# KiCad board pcb.kicad_pcb (continued)
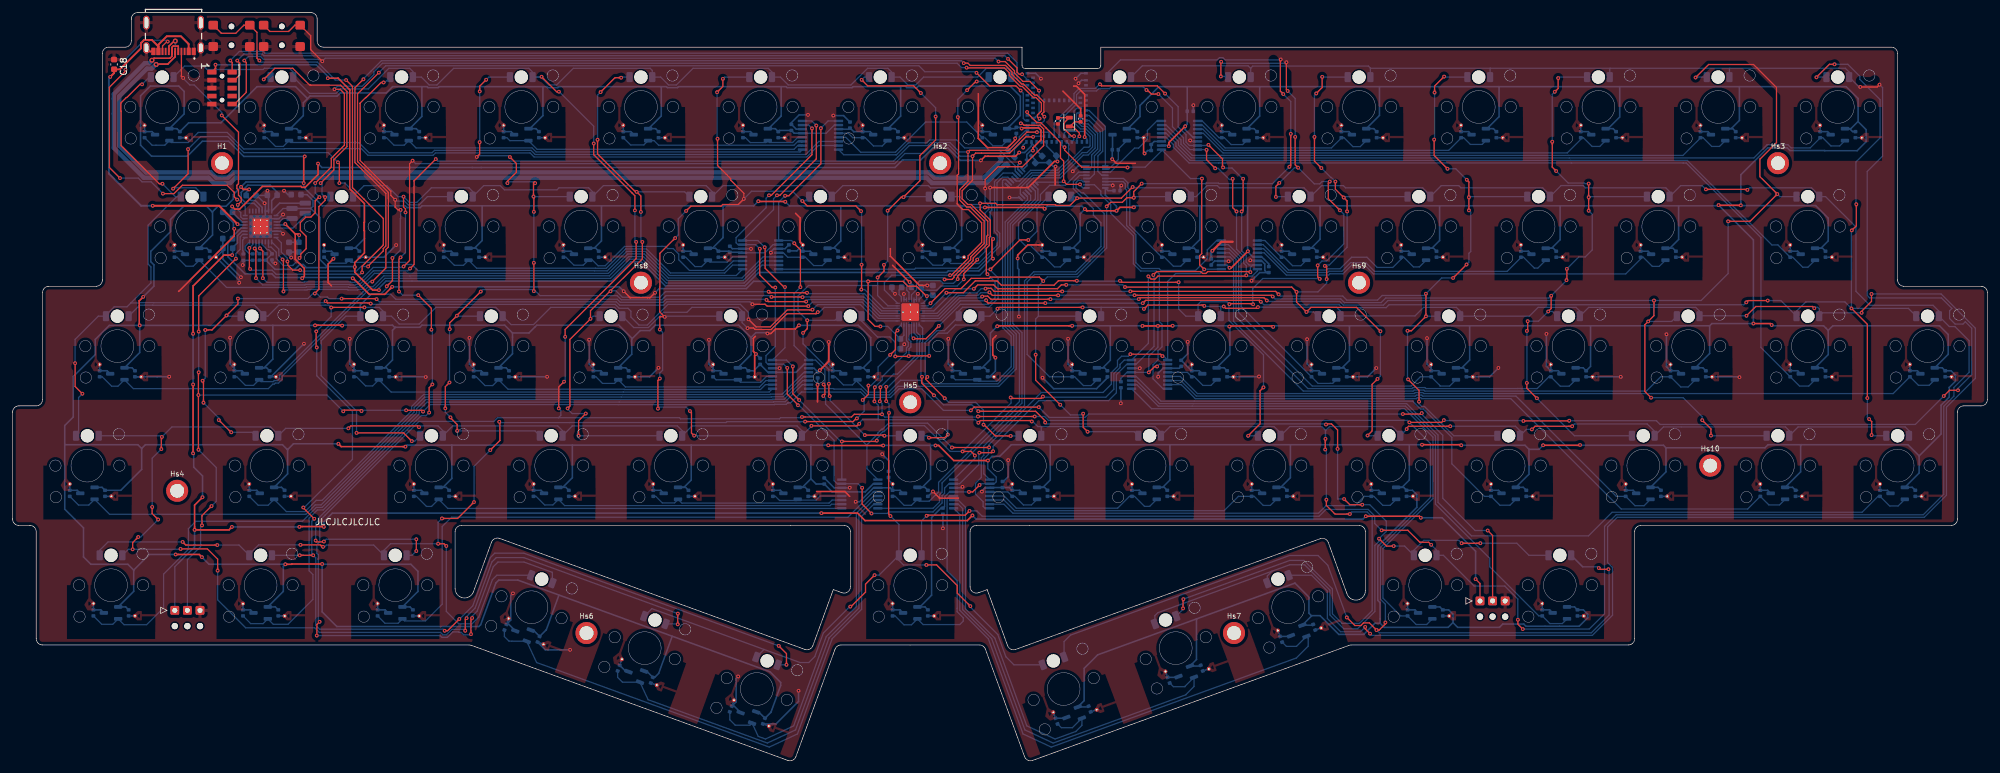
[diagram p0: board, top side]
## Routing (per net, layer and track width the routed paths; a pad name or vN(x,y) marks a point on that pad's centre or on a via; arc(x,y) is an arc through that point) (continued)
/VBUSOUT: length 141.8
  Top w0.25: v1(48.49,94.85) 48.49,93.12 46.44,91.07 45.94,91.07 45.79,91.22 39.65,91.22 36.05,87.61 35.28,87.61 v1(34.85,88.05) ; v1(159.8,96.61) 159.21,96.01 154.38,96.01 v1(153.72,95.36)
  Bottom w0.25: v1(34.85,88.05) 34.91,87.99 C19.1 34.91,87.09 36.41,85.6 PMIC1.22 ; v1(48.49,94.85) 49.11,94.22 72.96,94.22 72.96,94.22 74.4,94.22 74.4,94.22 140.08,94.22 141.28,95.43 144.16,95.43 146.11,97.38 148.44,97.38 150.46,95.36 v1(153.72,95.36) ; C1.1 162.65,96.84 162.65,97.21 161.75,98.1 MDBT1.32 161.75,97.68 160.67,96.61 v1(159.8,96.61)
/VDD_nRF: length 232.3
  Top w0.25: v1(50.04,108.43) 51.68,108.43 53.53,106.58 53.53,90.82 55.85,88.51 55.85,85.53 55.8,85.48 55.8,84.21 55.85,84.16 55.85,80.65 54.32,79.12 v1(54.32,78.42) 54.32,77.59 57.16,74.75 v1(58.16,74.75) ; JTAG1.1 32.21,109.96 v1(32.21,110.57) ; v1(165.87,95.18) 165.38,95.18 161.24,91.04 v1(155.18,91.04) ; v1(155.66,82.87) 155.48,82.7 155.48,79.89 v1(155.63,79.74)
  Bottom w0.2: PMIC1.1 42.94,87.72 L1.1 ; R3.1 R4.1 40.2,79.52 C13.2 41.18,80.63 40.63,81.18 40.43,81.18 39.62,81.98 PMIC1.12
  Bottom w0.25: 49.91,78.49 54.24,78.49 v1(54.32,78.42) ; 49.91,78.49 49.73,78.32 46.62,78.32 46.13,78.81 45.57,78.81 44.81,78.04 41.66,78.04 R4.1 ; 49.91,78.49 48.78,79.62 48.78,86.29 47.35,87.72 ; v1(32.21,110.57) 32.23,110.55 48.21,110.55 50.04,108.71 v1(50.04,108.43) ; 47.35,87.72 L1.1 ; 47.35,87.72 47.69,88.05 47.69,88.98 46.75,89.92 C25.1 ; v1(155.63,79.74) 155.33,79.74 153.38,77.79 148.54,77.79 148.3,77.55 118.41,77.55 116.3,75.44 103.6,75.44 99.8,79.23 98.14,79.23 95.08,76.18 63.41,76.18 63.4,76.18 59.27,76.18 58.16,75.06 v1(58.16,74.75) ; v1(165.87,95.18) 165.7,95.36 C3.1 164.15,97.64 MDBT1.28 MDBT1.30 ; v1(155.66,82.87) 155.18,83.34 155.18,87.19 155.43,87.44 155.43,88.33 155.18,88.57 v1(155.18,91.04)
GND: length 600.5
  Top w0.25: 21.23,113.16 Jusb1.S1 21.8,112.67 Jusb1.A12 ; v1(127.79,59.69) 127.79,56.95 ; v1(35.18,84.48) 35.18,83.36 26.36,74.53 ; v1(128.15,62.02) 129.56,63.43 v1(129.56,66.51) ; v1(159.55,79.78) 159.55,80.31 161.17,81.93 Cvout23.2 162.88,81.93 ; v1(146.11,42.73) 147.17,41.68 150.16,41.68 ; 165.51,91.48 165.51,94.36 165.54,94.39 v1(165.57,94.39) ; v1(179.7,96.45) 179.55,96.6 Cvcc9.2 ; 132.88,41.97 132.11,42.74 127.64,42.74 ; v1(159.16,98.86) 159.16,98.6 157.95,97.39 154.77,97.39 153.3,98.86 153.3,105.95 ; 117.93,67.42 117.6,67.09 117.6,64.99 v1(118,64.59) 118,64.58 117.8,64.38 Cvcc35.2 ; v1(156.02,64.01) 155.6,64.43 155.6,66.94 156.15,67.5 ; C2.2 169.55,103.55 166.75,106.35 ; 178.23,94.9 175.22,94.9 v1(174.56,95.56) ; v1(142.42,76.02) 142.36,76.02 139.69,78.69 ; 139.34,81.34 139.34,80.13 143.98,75.49 v1(145.19,75.49) ; 168.45,107.16 168.89,107.16 170.19,105.85 v1(170.19,99.07) ; 50.64,75.39 50.09,75.94 50.09,78.88 v1(50.93,79.72) ; 124.31,86.94 125.02,86.22 125.02,82.35 Cvout21.2
  Top w0.35: 193.7,82.43 191.9,82.43 v1(190.46,80.99)
  Bottom w0.2: LEDDR1.33 143.1,71.85 LEDDR1.30 LEDDR1.31 143.5,73.94 v1(143.72,74.16) ; LEDDR1.27 LEDDR1.26 v1(141.5,74.13)
  Bottom w0.25: TMR48.3 83.88,42.93 Cvout48.2 ; v1(34.53,67.18) 34.53,63 35.2,62.33 Cvout31.2 36.38,61.93 TMR31.3 ; v1(41.72,78.98) 41.37,78.98 41.18,79.17 C13.1 ; TMR68.3 202.82,19.7 Cvout68.2 ; Cvcc62.2 84.57,17.57 v1(88.5,17.57) ; Cvout21.2 124.5,80.98 C15.2 ; Cvout52.2 159.88,42.93 TMR52.3 ; Cvout52.2 158.26,43.37 C31.2 155.16,43.37 MUXB8.3 154.38,43.32 153.88,42.82 v1(153.88,42.72) ; Cvout52.2 158.69,42.93 ; Cvout51.2 139.07,44.56 C17.2 ; Cvout10.2 193.13,99.93 TMR10.3 ; Cvcc32.2 65.55,60.97 v1(65.59,60.93) ; Cvout24.2 183.63,80.93 TMR24.3 ; MDBT1.33 160.43,97.78 v1(160.43,97.39) ; Cvout21.2 126.63,80.93 TMR21.3 ; C7.1 114.25,81.32 MUXB2.14 117.19,81.32 v1(117.22,81.3) ; MUXA2.8 169.17,94.49 v1(168.3,93.62) ; TMR49.3 102.88,42.93 Cvout49.2 ; Cvout28.2 259.63,80.93 TMR28.3 ; TMR45.3 10.26,42.93 Cvout45.2 ; TMR26.3 221.63,80.93 Cvout26.2 ; Cvout59.2 14.01,23.93 TMR59.3 ; v1(147.69,36.89) C24.1 ; Cvout53.2 178.88,42.93 TMR53.3 ; Cvout11.2 212.13,99.93 TMR11.3 ; Cvcc24.2 188.36,79.97 ; v1(196.68,76.23) 197.98,77.53 C22.1 199.11,77.53 198.78,77.85 198.78,78.89 198.31,79.37 MUXB6.14 ; v1(40.46,90.54) 40.44,90.52 C26.2 ; TMR39.3 188.38,61.93 Cvout39.2 187.17,61.93 C30.1 186.55,64.63 v1(186.55,66.52) ; v1(146.11,42.73) 145.34,41.97 Cvcc51.2 ; v1(110.55,66.84) 110.55,62.98 111.2,62.33 Cvout35.2 112.38,61.93 TMR35.3 ; C26.2 40.39,89.79 C27.2 38.76,89.79 v1(40.01,88.54) 40.12,88.42 PMIC1.30 ; C26.2 40.62,89.65 PMIC1.31 PMIC1.30 ; Cvcc9.2 178.86,98.97 ; Cvout5.2 98.13,99.93 TMR5.3 ; TMR43.3 264.38,61.93 Cvout43.2 262.55,62.58 v1(262.55,67.72) ; C16.2 127.81,59.71 v1(127.79,59.69) ; v1(159.16,98.86) 159.34,99.04 Cvcc8.2 ; 175.81,90.56 C20.1 175.81,91.17 v1(176,91.36) ; Cvout4.2 79.13,99.93 TMR4.3 ; TMR13.3 250.13,99.93 Cvout13.2 ; 157.29,44.33 158.04,45.08 v1(158.04,47.73) ; 157.29,44.33 157.29,44.29 ; 157.29,44.33 C31.1 ; TMR44.3 283.38,61.93 Cvout44.2 ; Cvout63.2 97.4,14.1 TMR63.3 97.78,14.23 ; TMR33.3 74.38,61.93 Cvout33.2 73.2,62.33 72.52,63.01 v1(72.52,67.15) ; v1(159.55,79.78) 159.55,78.21 159.75,78.02 v1(159.75,70.53) ; PMIC1.33 40.12,85.6 PMIC1.30 ; PMIC1.33 40.62,86.1 PMIC1.2 42.28,86.1 42.93,86.75 v1(42.93,86.75) ; PMIC1.33 40.12,84.1 PMIC1.6 42.54,84.1 v1(42.93,83.71) ; v1(178.94,62.33) 178.94,62.32 MUXB7.14 ; TMR32.3 55.38,61.93 Cvout32.2 54.2,62.33 53.51,63.02 v1(53.51,67.02) ; Cvout18.2 69.63,80.93 TMR18.3 ; TMR42.3 245.38,61.93 Cvout42.2 243.49,62.64 v1(243.49,67.78) ; v1(138.05,48.68) 139.14,47.59 139.14,46.01 C17.1 ; 198.2,79.48 v1(196.48,79.48) ; TMR61.3 59.13,23.93 Cvout61.2 ; Cvout50.2 121.88,42.93 TMR50.3 ; v1(187.44,104.13) 187.43,104.12 C21.1 ; v1(115.18,13.35) 114.86,13.02 114.86,9.3 Cvout64.2 114.56,8.62 TMR64.3 115.58,7.73 ; v1(174.56,95.56) 174.57,95.57 Cvout9.2 174.61,97.09 TMR9.3 ; v1(121.76,62.34) 121.75,62.32 MUXB3.14 ; TMR1.3 22.13,99.93 Cvout1.2 ; MUXA1.15 159.59,93.94 159.59,94.65 159.9,94.95 v1(159.9,95) ; 13.81,61.93 Cvout30.2 15.01,61.93 TMR30.3 ; Cvcc64.2 121.2,5.8 124.77,9.37 v1(124.77,11.08) ; C35.2 145.2,75.48 v1(145.19,75.49) ; v1(167.56,67.01) 167.56,62.97 168.2,62.33 Cvout38.2 169.38,61.93 TMR38.3 ; TMR2.3 41.13,99.93 Cvout2.2 ; TMR55.3 216.88,42.93 Cvout55.2 ; Cvcc50.2 126.61,41.97 ; TMR6.3 117.13,99.93 Cvout6.2 ; v1(120.38,80.69) 120.38,80.82 120.88,81.32 MUXB2.3 122.62,81.32 C15.1 ; v1(163.25,108.35) 162.4,109.2 MDBT1.55 ; v1(133.84,41.11) 134.45,41.11 136.67,43.32 MUXB4.3 139.31,43.32 Cvout51.2 140.88,42.93 TMR51.3 ; Cvout14.2 269.13,99.93 TMR14.3 ; Cvcc40.2 215.1,60.97 v1(216.49,62.36) 216.48,62.37 ; C30.2 185.21,62.32 MUXB7.3 182.63,62.32 181.86,61.56 v1(181.86,60.97) ; v1(35.18,84.48) 35.05,84.62 35.05,85.46 33.37,87.14 C19.2 ; Cvout8.2 155.13,99.93 TMR8.3 ; v1(91.52,66.86) 91.52,63.01 92.2,62.33 Cvout34.2 93.38,61.93 TMR34.3 ; R6.1 38.09,79.47 R5.1 36.64,78.84 v1(36.53,78.73) ; v1(60.88,81.91) 58.94,79.97 Cvcc17.2 ; Cvout56.2 235.88,42.93 TMR56.3 ; v1(186.93,98.54) 187.09,98.37 MUXB5.14 ; 33.38,81.54 33.38,83.06 ; TMR22.3 145.63,80.93 Cvout22.2 ; v1(84.85,60.96) 84.84,60.97 Cvcc33.2 ; v1(169.22,107.62) 169.7,108.1 MDBT1.2 ; Cvcc38.2 173.8,60.81 172.07,59.08 165.26,59.08 v1(163.51,60.83) ; TMR16.3 26.88,80.93 Cvout16.2 ; v1(141.55,66.14) 140.92,65.51 C36.2 ; TMR27.3 240.63,80.93 Cvout27.2 ; v1(255.3,60.96) 255.29,60.97 Cvcc42.2 ; Cvout57.2 257.26,42.93 TMR57.3 ; C25.2 43.71,89.92 v1(43.09,90.54) ; v1(197.87,61.01) 197.83,60.97 Cvcc39.2 ; v1(46.25,66.22) 41,60.97 Cvcc31.2 ; Cvout47.2 64.88,42.93 TMR47.3 ; TMR65.3 140.88,23.93 Cvout65.2 ; v1(174.65,91.39) 174.55,91.49 MUXA2.15 ; Cvout23.2 164.63,80.93 TMR23.3 ; Cvout25.2 202.63,80.93 TMR25.3 ; TMR40.3 207.38,61.93 Cvout40.2 206.2,62.33 205.5,63.03 v1(205.5,66.95) ; C29.2 190.28,78.83 190.82,79.37 MUXB6.3 192.99,79.37 v1(193.04,79.32) ; C5.1 162.35,95.42 C1.2 162.4,95 C3.2 165.21,94.39 v1(165.57,94.39) ; v1(128.15,62.02) 127.88,61.75 C16.1 127.23,62.32 MUXB3.3 ; Cvout19.2 88.63,80.93 TMR19.3 ; TMR67.3 184.97,13.2 Cvout67.2 ; v1(158.27,89.46) 158.31,89.42 159.87,89.42 MUXA1.8 ; TMR29.3 283.38,80.93 Cvout29.2 ; Cvcc1.2 Cvcc1.2 ; Cvout58.2 278.63,42.93 TMR58.3 ; 157.25,43.32 157.29,43.37 ; TMR15.3 288.13,99.93 Cvout15.2 ; 182.32,98.44 MUXB5.3 181.24,98.37 C28.1 C28.2 180.18,96.93 v1(179.7,96.45) ; TMR36.3 131.38,61.93 Cvout36.2 130.2,62.33 129.56,62.97 v1(129.56,66.51) ; v1(132.9,43.34) 132.88,43.32 MUXB4.14 130.43,43.32 128.86,44.89 C9.1 ; TMR46.3 38.76,42.93 Cvout46.2 ; MDBT1.1 169.6,109.2 v1(168.75,108.35) ; Cvcc37.2 155.11,60.97 156.02,61.88 v1(156.02,64.01) ; C34.1 139.59,74.63 v1(140.08,74.14) ; v1(175.93,56.76) 175.94,56.77 C23.1 ; TMR72.3 302.38,61.93 Cvout72.2 ; TMR7.3 136.13,99.93 Cvout7.2 133.56,99.93 133.54,99.91 132.95,100.5 C14.2 132.75,100.32 MUXB1.3 ; Cvout60.2 37.76,23.93 TMR60.3 ; v1(224.54,67.12) 224.54,62.99 225.2,62.33 Cvout41.2 226.38,61.93 TMR41.3 ; TMR54.3 197.88,42.93 Cvout54.2 ; C14.1 131.91,102.48 v1(130.29,102.48) ; Cvout17.2 50.63,80.93 TMR17.3 51.11,79.9 v1(50.93,79.72) ; Cvout3.2 60.13,99.93 TMR3.3 ; v1(170.19,99.07) 170.55,98.71 MDBT1.15 ; Cvout70.2 244.01,23.93 TMR70.3 ; v1(36.25,76.8) 33.39,79.66 C32.2 33.39,81.06 Cvcc16.2 35.97,76.3 v1(35.97,75.91) ; Cvout69.2 222.63,23.93 TMR69.3 ; v1(24.85,60.98) 22.95,60.98 22.94,60.97 Cvcc30.2 ; v1(235.87,62.37) 234.47,60.97 Cvcc41.2 ; Cvcc36.2 135.97,60.97 ; Cvcc19.2 93.06,79.97 ; v1(79.43,26.55) 79.08,26.2 79.08,22.3 Cvout62.2 78.78,21.62 TMR62.3 79.8,20.73 ; v1(142.42,76.02) 142.69,75.74 C33.2 ; LEDDR1.33 143.13,71.87 ; v1(44.22,79.91) 43.88,80.25 C10.2 45.42,80.79 C11.2 ; Cvout66.2 167.17,6.7 TMR66.3 ; v1(126.27,102.59) 124.86,102.59 123.63,101.36 C6.1 123.64,101.08 124.4,100.32 MUXB1.14 ; TMR37.3 150.38,61.93 Cvout37.2 149.2,62.33 148.52,63.01 148.52,66.98 v1(148.55,67.01) ; MUXB8.14 150.65,43.32 v1(150.8,43.48) ; TMR20.3 107.63,80.93 Cvout20.2 106.45,81.33 ; Cvout71.2 297.63,42.93 TMR71.3 ; TMR12.3 231.13,99.93 Cvout12.2 ; Cvcc43.2 274.08,60.97 v1(274.14,60.91) ; v1(118,64.59) 118.67,63.92 C8.1 ; v1(102.54,62.39) 101.12,60.97 Cvcc34.2 ; Cvcc35.2 117.11,60.97
  Bottom w0.35: v1(190.46,80.99) 190.28,80.81 C29.1
VCCS: length 2346.1
  Top w0.2: v1(181.69,62.61) 181.31,62.61 v1(180.37,61.67) ; v1(151.82,42.67) 152.43,42.67 153.51,43.76 v1(153.51,43.78)
  Top w0.25: v1(200.12,68.9) 199.98,69.04 193.25,69.04 v1(193.16,68.95) ; v1(178,87.9) 175.8,87.9 v1(175.25,87.35) 170.5,87.35 v1(170.23,87.62) ; v1(119.83,67.86) 120.41,67.86 121.12,68.57 124.25,68.57 v1(124.83,69.15) ; v1(62.36,49.87) 52.17,49.87 v1(51.72,50.32) ; v1(48.01,69.14) 48.04,69.17 52.24,69.17 v1(52.31,69.1) ; v1(276.35,69.43) 279.03,69.43 v1(279.26,69.2) ; v1(146.51,50.06) 147.02,50.06 149.42,47.66 v1(154.83,47.66) ; v1(129.48,50.08) 129.51,50.05 v1(138.21,50.05) ; v1(154.35,87.88) 163.62,87.88 v1(163.85,87.66) ; v1(118.38,88.87) 118.42,88.83 122.63,88.83 v1(122.67,88.79) ; v1(161.97,96.93) 161.97,97.35 163.25,98.62 163.25,100.17 162.9,100.52 160.3,100.52 v1(160.19,100.41) ; v1(156.3,69) 156.38,69.07 v1(168.2,69.07) ; v1(223.74,50.17) 229.89,50.17 v1(229.97,50.09) ; v1(20.73,73.67) 20.1,73.03 20.1,69.22 v1(20.18,69.14) ; v1(196.1,80.92) 196.1,80.91 193.48,78.3 v1(193.18,78.3) ; v1(49.14,31.22) 44.33,31.22 44.28,31.17 v1(43.29,31.17) ; v1(179.36,69.05) v1(181.82,69.05) 184.13,69.05 v1(184.16,69.08) ; v1(36.26,91.14) 36.65,90.75 v1(37.55,90.75) ; v1(46.37,95.99) 46.22,95.83 v1(46.22,91.75) ; v1(186.15,100.79) 183.55,98.19 v1(183.55,97.61) ; v1(242.97,50.09) 248.79,50.09 v1(248.83,50.13) ; v1(274.36,88.22) 270.86,88.22 v1(270.82,88.26) ; v1(25.88,32.73) 29.62,32.73 v1(30.06,32.3)
  Bottom w0.2: v1(153.51,43.78) 153.71,43.97 MUXB8.2 155.85,43.97 156.15,44.27 156.15,45.03 154.82,46.37 154.82,47.65 v1(154.83,47.66) ; MUXB2.2 120.74,81.97 119.44,80.67 MUXB2.13 ; MUXB7.2 182.06,62.97 v1(181.69,62.61) ; v1(181.82,69.05) 181.82,65.68 180.37,64.23 v1(180.37,61.67) MUXB7.13 176.9,61.67 175.94,60.71 C23.2 ; MUXB1.2 130.46,100.97 129.16,99.67 MUXB1.13 ; v1(151.82,42.67) MUXB8.13 148.73,42.67 147.95,41.89 147.95,40.35 C24.2
  Bottom w0.25: 140.98,107.05 141.1,107.17 141.7,107.17 141.95,106.92 143.55,106.92 143.8,107.17 158.36,107.17 159.98,105.55 159.98,102.48 TMR8.1 159.13,100.4 Cvcc8.1 159.99,100.61 v1(160.19,100.41) ; 140.98,107.05 140.98,102.4 138.97,100.4 TMR7.1 140.08,100.4 Cvcc7.1 ; 140.98,107.05 140.95,107.07 133.41,107.07 133.26,106.92 122.95,106.92 122.8,107.07 122.01,107.07 ; 145.67,50.07 146.49,50.07 v1(146.51,50.06) ; 145.67,50.07 145.73,50.02 145.73,44.73 144.4,43.4 TMR51.1 144.83,43.4 Cvcc51.1 ; 145.67,50.07 138.24,50.07 v1(138.21,50.05) ; Cvcc25.1 206.58,81.4 TMR25.1 206.14,81.4 207.56,82.82 207.56,88.14 ; Cvcc65.1 144.83,24.4 TMR65.1 144.03,24.4 145.89,26.26 145.89,38.61 147.38,40.1 C24.2 ; 83.34,27.51 80.19,28.66 77.18,28.66 76.72,28.2 74.31,21.58 74.01,21.28 51.47,21.28 49.14,23.61 v1(49.14,31.22) 49.19,31.17 63.23,31.17 64.35,30.05 64.35,26.86 TMR61.1 63.08,24.4 Cvcc61.1 ; 8.28,50.22 8.32,50.17 19.89,50.17 20.49,49.57 ; 8.28,50.22 8.28,39.93 11.25,36.95 11.25,32.34 12.42,31.17 18.3,31.17 19.22,30.25 ; 8.28,50.22 8.28,53.22 9.63,54.58 9.63,61.01 13.12,64.5 13.12,66.9 15.35,69.14 v1(20.18,69.14) ; 283.97,50.17 283.85,50.04 283.85,45.86 TMR58.1 282.58,43.4 Cvcc58.1 283.36,42.93 ; 283.97,50.17 300.89,50.17 302.66,48.4 ; 283.97,50.17 278.67,50.17 278.19,49.68 262.47,49.68 ; 126.73,44.76 127.56,43.93 C9.2 130.11,42.67 MUXB4.13 135.34,42.67 136.64,43.97 MUXB4.2 ; 126.73,44.76 126.73,50.1 126.72,50.11 ; 126.73,44.76 125.37,43.4 TMR50.1 125.83,43.4 Cvcc50.1 ; Cvcc44.1 287.33,62.4 TMR44.1 288.23,64.48 288.23,68.34 ; 74.54,88.14 93.48,88.14 ; 74.54,88.14 65,88.14 64.71,87.85 62.64,87.85 62.35,88.14 55.84,88.14 ; 74.54,88.14 74.54,82.62 73.32,81.4 TMR18.1 73.58,81.4 Cvcc18.1 ; 93.48,88.14 93.48,82.56 92.32,81.4 TMR19.1 92.58,81.4 Cvcc19.1 ; 93.48,88.14 112.78,88.14 ; 288.23,68.34 287.49,69.07 279.38,69.07 v1(279.26,69.2) ; 288.23,68.34 288.96,69.07 305.89,69.07 307.28,67.69 307.28,64.54 TMR72.1 306.33,62.4 Cvcc72.1 307.73,61.93 308.43,61.22 308.43,60.26 307.44,59.27 307.44,57.74 306.14,56.45 306.14,51.88 302.66,48.4 ; 41.31,69.14 41.31,63.78 39.93,62.4 TMR31.1 40.33,62.4 Cvcc31.1 ; 41.31,69.14 v1(48.01,69.14) ; 41.31,69.14 v1(20.18,69.14) ; 98.29,66.97 98.29,64.55 TMR34.1 97.33,62.4 Cvcc34.1 ; 98.29,66.97 99.63,68.31 101.16,68.31 102.02,69.17 115.27,69.17 117.23,67.21 ; 98.29,66.97 98.29,67.12 96.24,69.17 83.21,69.17 81.97,67.93 79.36,67.93 ; 126.72,50.11 129.45,50.11 v1(129.48,50.08) ; 126.72,50.11 107.73,50.11 ; TMR35.1 116.33,62.4 Cvcc35.1 117.66,61.93 C8.2 119.94,61.67 MUXB3.13 124.37,61.67 125.67,62.97 MUXB3.2 ; TMR35.1 117.23,64.48 117.23,67.21 ; TMR35.1 116.07,62.4 ; 291.63,100.4 292.1,99.93 Cvcc15.1 ; 291.63,100.4 291.82,100.4 292.98,101.55 292.98,105.18 291.09,107.07 274.13,107.07 ; 291.63,100.4 TMR15.1 ; 43.57,49.44 43.71,49.44 44.58,50.32 v1(51.72,50.32) 51.56,50.17 ; 43.57,49.44 43.66,49.35 43.66,45.54 TMR46.1 42.7,43.4 Cvcc46.1 ; 43.57,49.44 42.84,50.17 21.08,50.17 20.49,49.58 20.49,49.57 ; Cvcc14.1 273.08,100.4 TMR14.1 272.82,100.4 274.13,101.71 274.13,107.07 ; Cvcc71.1 301.58,43.4 TMR71.1 302.66,45.67 302.66,48.4 ; v1(156.3,69) 155.23,67.92 155.23,63.72 153.91,62.4 TMR37.1 154.33,62.4 Cvcc37.1 ; v1(163.85,87.66) 164.27,88.08 169.77,88.08 v1(170.23,87.62) 169.48,86.86 169.48,82.55 168.32,81.4 TMR23.1 168.58,81.4 Cvcc23.1 ; 269.41,69.07 269.41,64.67 TMR43.1 268.33,62.4 Cvcc43.1 ; 269.41,69.07 269.76,69.43 v1(276.35,69.43) 276.35,82.73 v1(270.82,88.26) 270.7,88.14 264.48,88.14 ; 269.41,69.07 250.5,69.07 ; Cvcc32.1 59.33,62.4 TMR32.1 59.07,62.4 60.31,63.64 60.31,68.35 60.79,68.83 ; v1(20.18,69.14) 20.18,64.81 TMR30.1 18.95,62.4 Cvcc30.1 ; MUXB5.13 187.38,99.02 186.15,100.25 v1(186.15,100.79) 186.47,101.11 C21.2 186.47,107.04 186.5,107.07 ; 274.13,107.07 255.13,107.07 ; TMR68.1 206.34,21.49 Cvcc68.1 ; TMR68.1 206.18,22.92 206.18,23 ; TMR68.1 204.75,21.57 ; 131.47,88.13 123.33,88.13 v1(122.67,88.79) ; 131.47,88.13 131.48,88.12 131.48,82.55 130.32,81.4 TMR21.1 130.58,81.4 Cvcc21.1 ; 131.47,88.13 150.66,88.13 ; 240.73,49.44 240.08,50.09 v1(229.97,50.09) ; 240.73,49.44 242.32,49.44 v1(242.97,50.09) ; 240.73,49.44 240.73,45.48 TMR56.1 239.83,43.4 Cvcc56.1 ; 86.73,26.27 84.72,20.76 84.72,20.76 Cvcc62.1 82.66,20.71 TMR62.1 ; 216.99,107.07 216.99,102.5 TMR11.1 216.08,100.4 Cvcc11.1 ; 216.99,107.07 235.91,107.07 ; 216.99,107.07 197.96,107.07 ; 79.36,67.93 78.12,69.17 64.98,69.17 64.64,68.83 60.79,68.83 ; 79.36,67.93 79.36,64.62 TMR33.1 78.33,62.4 Cvcc33.1 ; 231.31,69.07 250.5,69.07 ; 231.31,69.07 212.19,69.07 ; 231.31,69.07 231.31,63.64 230.07,62.4 TMR41.1 230.33,62.4 Cvcc41.1 ; 250.5,69.07 250.5,62.63 Cvcc42.1 249.33,62.4 TMR42.1 ; 55.84,88.14 55.85,88.13 55.85,82.92 54.32,81.4 TMR17.1 54.58,81.4 Cvcc17.1 ; 55.84,88.14 49.17,88.14 46.22,91.09 v1(46.22,91.75) 46.04,91.92 37.05,91.92 v1(36.26,91.14) 35.03,89.9 35.03,89.21 33.88,88.07 32.61,88.07 31.7,87.16 ; Cvcc47.1 68.83,43.4 TMR47.1 68.32,43.4 69.73,44.81 69.73,50.09 69.71,50.11 ; 196.07,88.14 188.41,88.14 ; 196.07,88.14 207.56,88.14 ; 196.07,88.14 196.06,88.13 196.06,80.96 v1(196.1,80.92) 196.1,80.8 196.88,80.02 MUXB6.13 198.31,80.02 199.42,78.91 C22.2 ; 188.41,88.14 177.78,88.14 177.78,88.12 v1(178,87.9) ; 188.41,88.14 188.48,88.07 188.48,82.78 187.1,81.4 TMR24.1 187.58,81.4 Cvcc24.1 ; 84.19,107.07 84.8,107.07 84.95,106.92 86.55,106.92 86.7,107.07 102.92,107.07 ; 84.19,107.07 84.19,102.48 82.11,100.4 TMR4.1 83.08,100.4 Cvcc4.1 ; 84.19,107.07 67.7,107.07 67.55,106.92 65.95,106.92 65.8,107.07 64.97,107.07 ; 174.26,69.07 174.26,63.59 173.07,62.4 TMR38.1 173.33,62.4 Cvcc38.1 ; 174.26,69.07 179.33,69.07 v1(179.36,69.05) ; 174.26,69.07 v1(168.2,69.07) ; TMR45.1 14.21,43.4 Cvcc45.1 17.17,42.93 20.49,46.25 20.49,49.57 ; 187.99,22.51 172.26,16.78 170.11,14.63 170.11,9.5 TMR66.1 ; 187.99,22.51 203.54,28.16 203.58,28.16 205.79,25.95 205.79,23.39 206.18,23 ; 187.99,22.51 187.94,22.46 187.94,16.04 TMR67.1 ; Cvcc9.1 178.08,100.4 TMR9.1 177.05,100.4 178.98,102.32 178.98,104.08 179.35,104.45 179.35,104.46 180.21,105.32 180.22,105.32 181.97,107.07 186.5,107.07 ; 69.71,50.11 62.6,50.11 v1(62.36,49.87) ; 69.71,50.11 88.86,50.11 ; v1(20.73,73.67) 22.43,75.37 22.43,78.75 21.94,79.25 21.94,80.91 25.07,84.03 25.07,85.98 27.16,88.07 30.79,88.07 31.7,87.16 ; 186.5,107.07 197.96,107.07 ; 112.78,88.14 117.65,88.14 v1(118.38,88.87) ; 112.78,88.14 112.78,83.09 111.09,81.4 TMR20.1 111.58,81.4 Cvcc20.1 113.69,80.93 C7.2 ; 207.56,88.14 226.54,88.14 ; Cvcc26.1 225.58,81.4 TMR26.1 225.32,81.4 226.54,82.62 226.54,88.14 ; 293.07,101.42 294.25,100.24 294.25,98.32 292.82,96.9 287.68,96.9 287.66,96.92 282.16,96.92 281.73,97.35 278.63,97.35 274.36,93.08 v1(274.36,88.22) 274.41,88.17 286.24,88.17 288.23,86.18 288.23,82.55 287.07,81.4 TMR29.1 287.33,81.4 Cvcc29.1 ; Cvcc2.1 45.08,100.4 TMR2.1 44.07,100.4 46.15,102.48 46.15,104.51 46.82,105.18 ; v1(46.37,95.99) 36.7,95.99 34.29,98.4 30.13,98.4 27.75,96.03 22.06,96.03 20.31,97.77 20.31,105.61 21.87,107.17 26.37,107.17 27.23,106.31 27.23,102.74 TMR1.1 26.08,100.4 Cvcc1.1 27.95,101.33 33.06,101.33 38.81,107.07 44.92,107.07 46.82,105.18 ; 255.13,107.07 255.13,102.25 253.28,100.4 TMR13.1 254.08,100.4 Cvcc13.1 ; 255.13,107.07 235.91,107.07 ; v1(248.83,50.13) 248.87,50.09 262.07,50.09 262.47,49.68 ; TMR67.1 188.49,14.99 Cvcc67.1 ; TMR67.1 186.9,15.07 ; TMR66.1 169.1,8.57 ; TMR66.1 170.69,8.49 Cvcc66.1 ; v1(154.83,47.66) 155.5,48.32 156.7,48.32 158.54,50.17 164.66,50.17 ; 183.72,50.17 202.85,50.17 ; 183.72,50.17 183.73,50.16 183.73,44.55 182.57,43.4 TMR53.1 182.83,43.4 Cvcc53.1 ; 183.72,50.17 164.66,50.17 ; 202.85,50.17 221.72,50.17 ; 202.85,50.17 202.85,44.94 201.31,43.4 TMR54.1 201.83,43.4 Cvcc54.1 ; 150.66,88.13 151.25,88.13 151.49,87.88 v1(154.35,87.88) ; 150.66,88.13 150.66,82.74 149.32,81.4 TMR22.1 149.58,81.4 Cvcc22.1 ; 102.92,107.07 103.8,107.07 103.95,106.92 105.55,106.92 105.7,107.07 122.01,107.07 ; 102.92,107.07 102.98,107.02 102.98,102.42 100.95,100.4 TMR5.1 102.08,100.4 Cvcc5.1 ; 60.79,68.83 60.65,68.83 60.31,69.17 52.39,69.17 v1(52.31,69.1) ; Cvcc27.1 244.58,81.4 TMR27.1 244.32,81.4 245.67,82.75 245.67,88.14 ; 212.19,69.07 200.29,69.07 v1(200.12,68.9) ; 212.19,69.07 212.23,69.04 212.23,63.55 211.07,62.4 TMR40.1 211.33,62.4 Cvcc40.1 ; 206.18,23 207.56,23 210.54,20.03 214.5,20.03 216.28,21.81 217.08,21.81 ; 117.23,67.21 117.99,67.98 119.71,67.98 v1(119.83,67.86) ; TMR64.1 118.43,7.71 Cvcc64.1 120.37,7.64 120.38,7.64 121.93,11.91 121.93,12.39 120.24,14.08 83.31,27.52 ; 197.96,107.07 197.98,107.06 197.98,102.41 195.96,100.4 TMR10.1 197.08,100.4 Cvcc10.1 ; Cvcc52.1 163.83,43.4 TMR52.1 163.57,43.4 164.73,44.55 164.73,50.1 164.66,50.17 ; 88.86,50.11 88.86,44.93 87.33,43.4 TMR48.1 87.83,43.4 Cvcc48.1 ; 88.86,50.11 107.73,50.11 ; 64.97,107.07 64.98,107.07 64.98,102.34 63.03,100.4 TMR3.1 64.08,100.4 Cvcc3.1 ; 64.97,107.07 60.32,107.07 59.32,106.07 52.02,106.07 51.53,105.58 47.23,105.58 46.82,105.18 ; 245.67,88.14 226.54,88.14 ; 245.67,88.14 264.48,88.14 ; 122.01,107.07 122.01,102.41 120,100.4 TMR6.1 121.08,100.4 Cvcc6.1 121.74,100.12 C6.2 124.08,99.67 MUXB1.13 ; Cvcc39.1 192.33,62.4 TMR39.1 193.25,64.51 193.25,68.86 v1(193.16,68.95) 193.16,69.04 193.12,69.08 v1(184.16,69.08) ; MUXB6.2 192.75,78.72 v1(193.18,78.3) ; 221.72,50.17 221.73,50.16 221.73,44.55 220.57,43.4 TMR55.1 220.83,43.4 Cvcc55.1 222.23,42.93 222.93,42.22 222.93,40.23 216.72,34.02 216.72,25.44 217.08,25.08 217.08,22.51 217.09,22.5 217.09,21.82 217.08,21.81 ; 221.72,50.17 v1(223.74,50.17) ; 31.7,87.16 31.74,87.12 31.74,83.5 TMR16.1 30.83,81.4 Cvcc16.1 ; 262.47,49.68 262.47,45.86 TMR57.1 261.2,43.4 Cvcc57.1 ; v1(183.55,97.61) 183.45,97.72 MUXB5.2 ; 135.55,61.93 135.08,62.4 TMR36.1 135.05,62.4 136.23,63.58 136.23,67.18 134.26,69.15 v1(124.83,69.15) ; 104.71,19.73 102.57,13.84 101.93,13.2 Cvcc63.1 100.63,14.21 TMR63.1 ; C7.2 115.8,80.76 MUXB2.13 ; C7.2 113.83,80.76 ; 217.08,21.81 217.74,21.15 227.89,21.15 228.68,21.93 ; 264.48,88.14 264.48,82.79 263.09,81.4 TMR28.1 263.58,81.4 Cvcc28.1 ; TMR69.1 226.58,24.4 Cvcc69.1 227.98,23.93 228.68,23.22 228.68,21.93 ; 19.22,30.25 21.71,32.73 v1(25.88,32.73) ; 19.22,30.25 19.22,26.86 TMR59.1 17.95,24.4 Cvcc59.1 ; Cvcc12.1 235.08,100.4 TMR12.1 234.07,100.4 235.98,102.3 235.98,107.01 235.91,107.07 ; Cvcc49.1 106.83,43.4 TMR49.1 106.57,43.4 107.73,44.56 107.73,50.11 ; MUXA1.16 161.01,94.52 C5.2 161,95.42 161,96.3 161.63,96.93 v1(161.97,96.93) ; v1(175.25,87.35) 175.25,88.05 173.47,89.83 MUXA2.16 173.91,90.55 C20.2 ; 228.68,21.93 228.68,21.88 229.41,21.15 236.04,21.15 236.57,21.68 239.89,21.68 240.25,21.32 243.27,21.32 243.27,21.32 245.59,21.32 245.59,21.32 248.7,21.32 250.05,22.68 250.05,23.22 249.35,23.93 Cvcc70.1 247.96,24.4 TMR70.1 ; v1(30.06,32.3) 31.19,31.17 v1(43.29,31.17) 43.29,31.15 42.97,30.83 42.97,26.86 TMR60.1 41.7,24.4 Cvcc60.1 ; v1(37.55,90.75) 37.07,90.27 C27.1 37.87,88.98 38.52,88.98 39.62,87.88 PMIC1.29
/AIN0: length 22
  Bottom w0.2: MUXA1.4 161.03,91.09 161.03,91.53 162.09,92.59 166.36,92.59 169.97,96.2 170.74,96.2 171.85,97.32 171.85,99.46 170.56,100.76 169.75,100.76 168.92,101.59 168.9,101.59 168.9,102.6 168.9,102.6 168.9,102.8 169,102.9 MDBT1.11
/AIN1: length 24.4
  Bottom w0.2: MDBT1.9 169,103.7 168.5,103.19 168.5,101.39 169.53,100.36 170.39,100.36 171.45,99.3 171.45,97.48 170.57,96.6 169.81,96.6 166.19,92.99 161.93,92.99 159.97,91.03 159.97,90.03 MUXA1.7
/AIN2: length 13.2
  Bottom w0.2: MDBT1.20 167.65,98 167.65,95.58 165.86,93.79 161.59,93.79 159.87,92.06 159.35,92.06 MUXA1.12
/AIN3: length 22.6
  Bottom w0.2: MUXA1.9 158.29,91 159.38,91 161.76,93.39 166.02,93.39 170.08,97.45 170.85,97.45 171.05,97.65 171.05,99.13 170.23,99.96 167.21,99.96 166.95,99.7 MDBT1.21
/AIN4: length 10.8
  Bottom w0.2: MDBT1.13 169.5,101.58 169.92,101.16 170.72,101.16 172.25,99.63 172.25,97.15 171.3,96.2 171.3,94.26 171.03,93.99 MUXA2.7 170.43,93.95
/AIN5: length 10.4
  Bottom w0.2: MDBT1.10 170.9,103.3 173.47,100.73 MUXA2.9
/AIN6: length 11.7
  Bottom w0.2: MUXA2.4 171.03,92.49 171.74,93.19 171.74,96.07 172.65,96.99 172.65,99.79 172.65,99.79 172.65,99.94 170.9,101.7 MDBT1.14
/AIN7: length 12
  Bottom w0.2: MDBT1.12 170.9,102.5 173.05,100.34 173.05,96.82 172.29,96.05 172.29,93.61 172.91,92.99 MUXA2.12
/ANA_01: length 114.5
  Bottom w0.2: Cvout1.1 22.16,97.76 22.76,97.76 22.76,97.77 24.16,97.77 TMR1.2 25.19,98.2 27.87,98.2 29.47,99.8 34.06,99.8 36.68,97.18 43.13,97.18 43.18,97.23 55.36,97.23 56.42,96.16 66.75,96.16 67.13,96.54 82.14,96.54 82.79,95.9 126.09,95.9 127.91,97.72 MUXB1.7
/ANA_02: length 94.2
  Bottom w0.2: Cvout2.1 40.35,98.97 41.74,97.58 42.97,97.58 TMR2.2 44.19,98.2 54.96,98.2 56.59,96.56 66.59,96.56 66.97,96.94 82.31,96.94 82.96,96.3 125.92,96.3 127.99,98.37 MUXB1.6
/ANA_03: length 68.1
  Bottom w0.2: MUXB1.9 125.01,96.7 83.12,96.7 82.47,97.34 64.04,97.34 TMR3.2 62.17,97.78 60.54,97.78 59.35,98.97 Cvout3.1
/ANA_04: length 48.7
  Bottom w0.2: Cvout4.1 78.47,98.97 78.94,98.5 TMR4.2 83.27,97.12 124.05,97.12 124.65,97.72 MUXB1.10 125.24,97.57
/ANA_05: length 30
  Bottom w0.2: 125.24,98.22 MUXB1.11 124.65,98.37 124.06,97.78 102.55,97.78 101.83,98.5 TMR5.2 100.2,97.81 98.11,97.81 Cvout5.1
/ANA_06: length 10.4
  Bottom w0.2: Cvout6.1 116.33,98.97 117.11,98.19 119.58,98.19 TMR6.2 120.19,98.2 123.82,98.2 124.64,99.02 MUXB1.12